# Altium PCB SmartHub Carrier.PcbDoc (part 2 of 5) (continued)
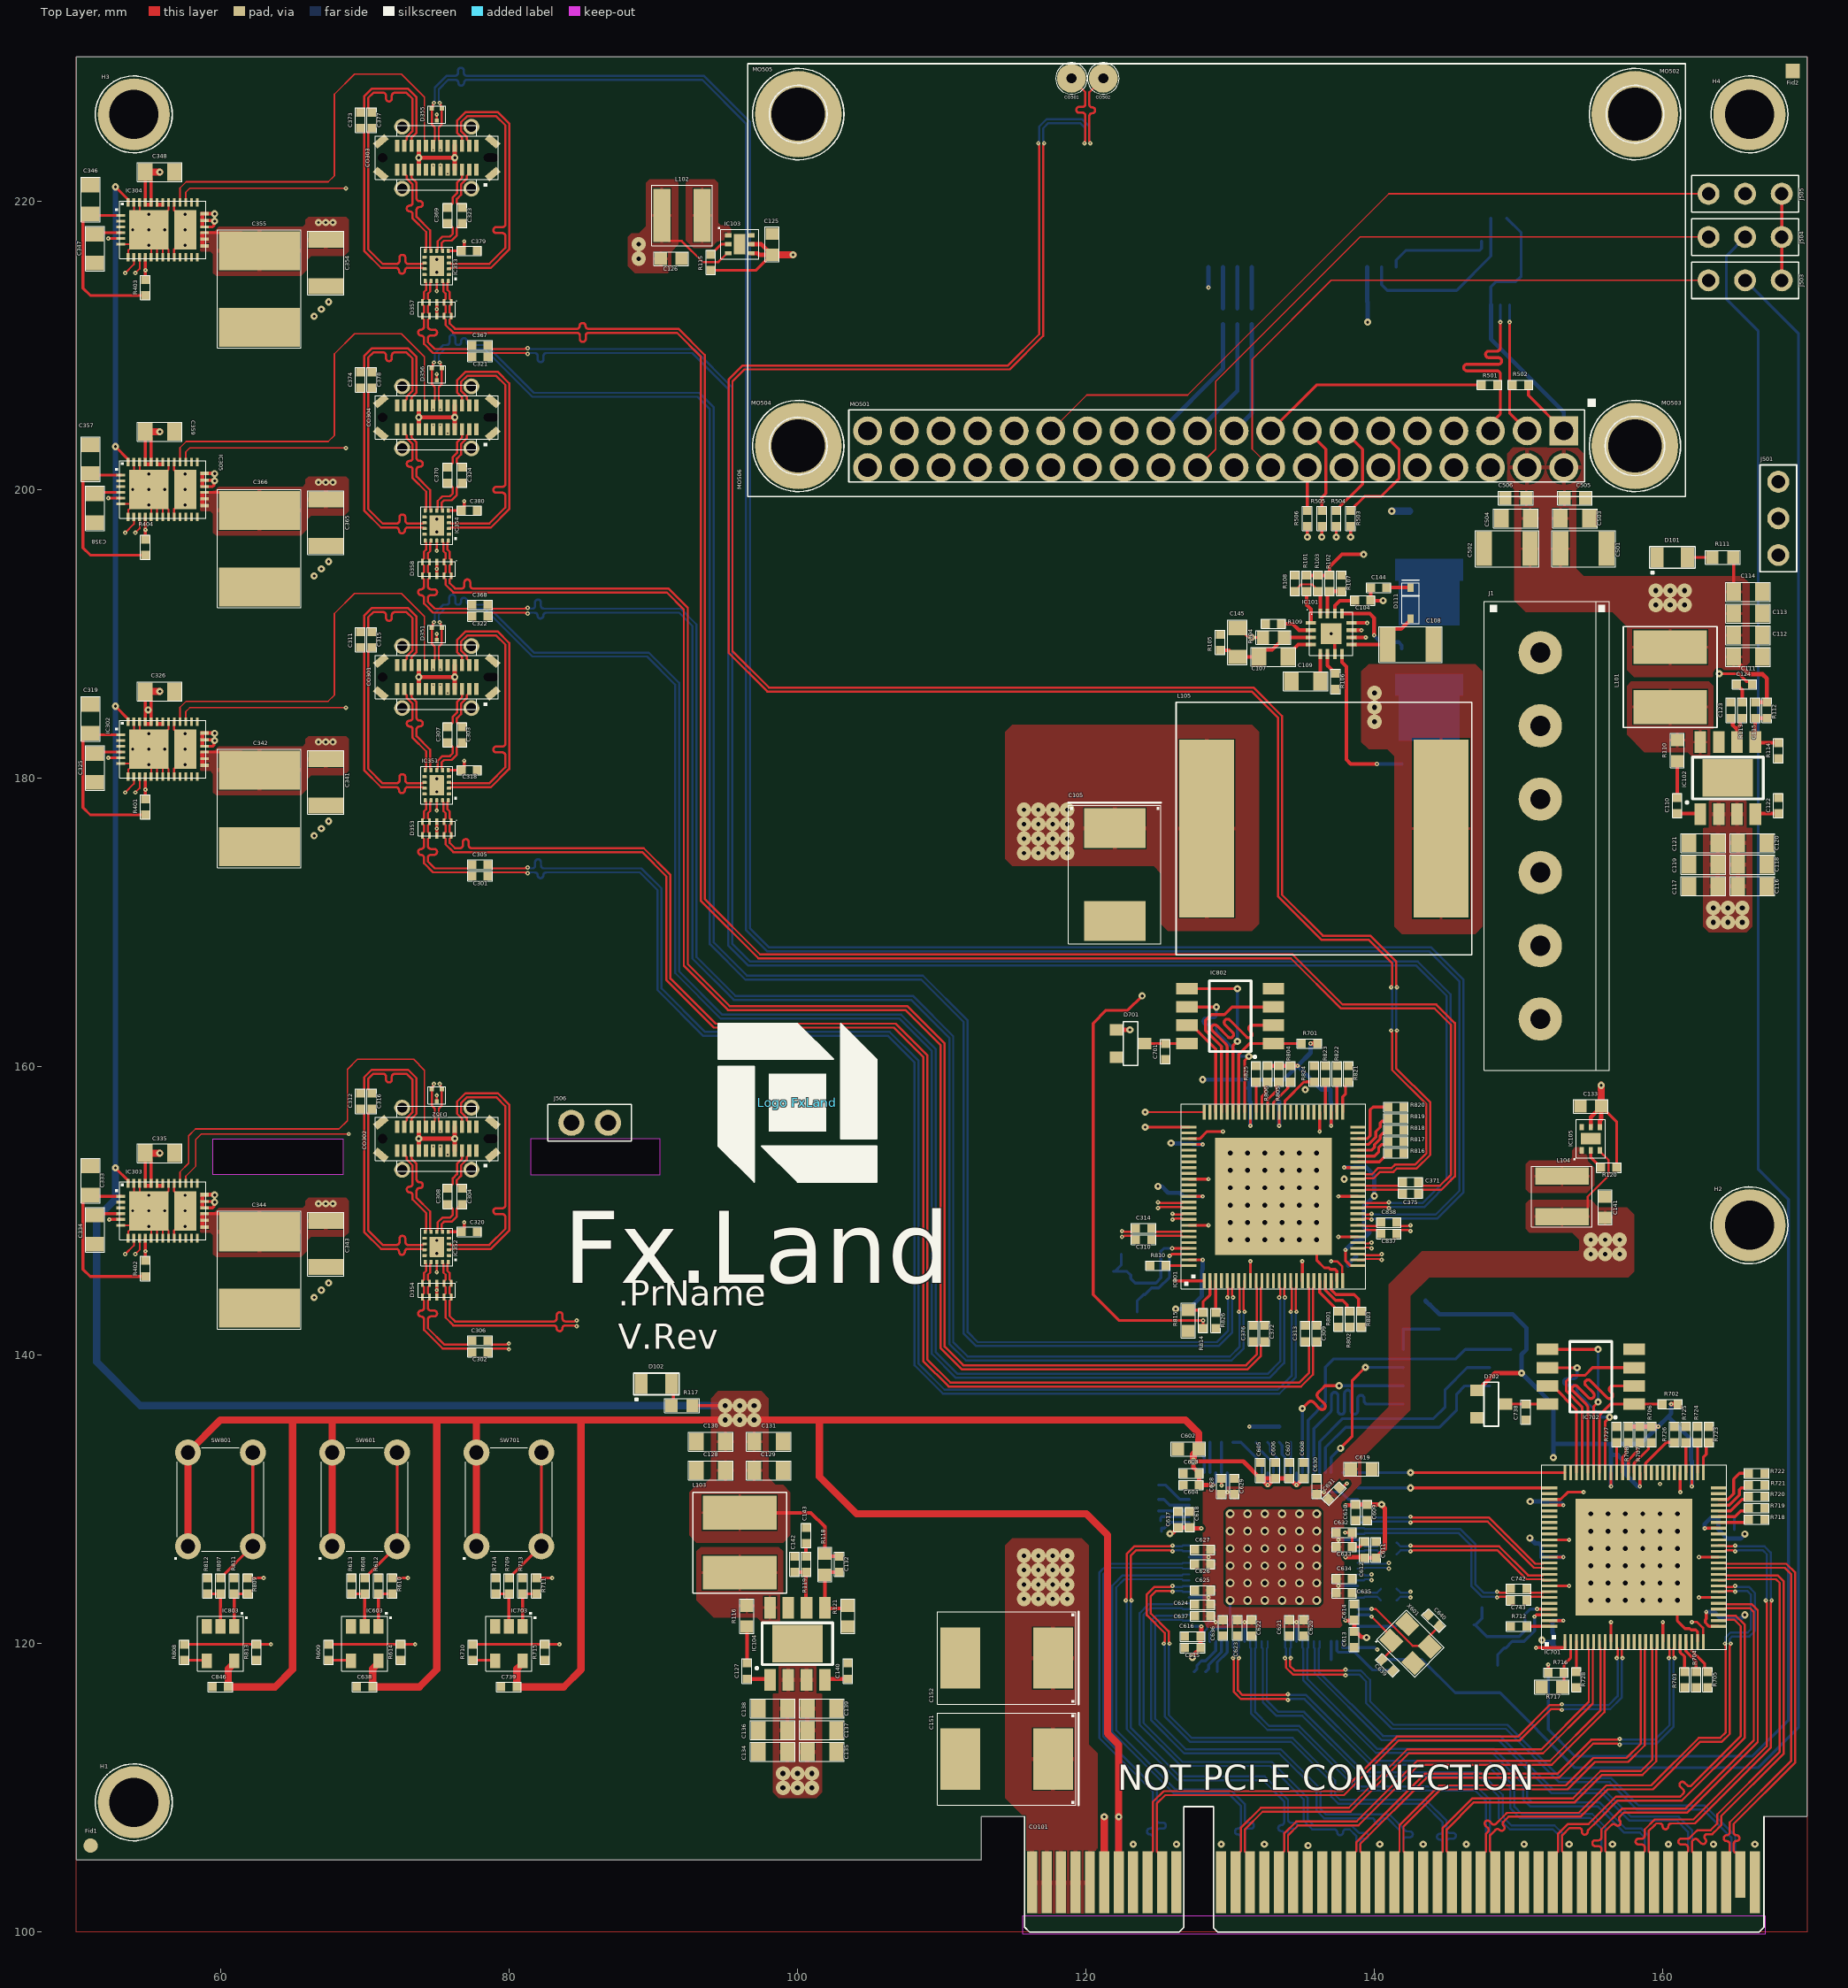
[diagram p0: Top Layer view]
## Nets (pads, with @x,y where several pads share a name; then routed paths per layer and width w, separated by ;. In a path a pad name is that pad's centre, name@x,y a point inside that pad or via, vN(x,y) a via of type N, cw(c..) or ccw(c..) an arc to the next point about the centre after c; other vN are vias at no path point) (continued)
  Top Layer w0.5: SW801.1@57.75,126.75 SW801.2@57.75,133.25 60,135.5 65,135.5 ; IC803.5@60.95,118.8 60.95,118.65 60.55,118.25 C846.1@60.55,117 63.8,117 65,118.2 65,135.5 ; SW601.1@67.75,126.75 SW601.2@67.75,133.25 67.75,135.45 67.8,135.5 ; IC603.5@70.95,118.8 70.95,118.65 70.55,118.25 C638.1@70.55,117 73.8,117 75,118.2 75,135.5 ; SW701.1@77.75,126.75 SW701.2@77.75,133.25 77.75,135.45 77.8,135.5 ; IC703.5@80.95,118.8 80.95,118.65 80.55,118.25 C739.1@80.55,117 83.8,117 85,118.2 85,135.5 ; v6(95,135.5) 85,135.5 ; v6(97,135.5) 101.525,135.5 ; CO101.B7@122.275,103.45 v2(122.275,108) 122.275,113 121.5,113.775 121.5,127.525 120.025,129 104.1,129 101.525,131.575 101.525,135.5 ; v2(127.453,132.635) 127.453,133.103 C602.1@127.837,133.487 ; C602.1@127.825,133.5 127.825,134.575 126.9,135.5 101.525,135.5 ; 65,135.5 67.8,135.5 ; 67.8,135.5 75,135.5 ; 75,135.5 77.8,135.5 ; 77.8,135.5 85,135.5
  Bottom Layer w0.2: IC601.26@127.15,121.2 v1(128,121.2) ; IC601.43@127.15,128 v1(128,128) ; v1(128.8,131) 128.8,131.027 129,131.227 IC601.53@129,131.85 ; v1(132.6,131) IC601.62@132.6,131.85 ; v1(134.6,131) IC601.67@134.6,131.85 ; v1(138,121.6) IC601.99@138.85,121.6 ; v1(138,126) IC601.88@138.85,126 ; v1(138,129.6) IC601.79@138.85,129.6
  Bottom Layer w0.3: v2(125,151.7) 125.25,151.7 C804.1@125.7,151.25 C805.1@126.5,151.25 126.75,151 v1(128.1,151) ; v2(125.9,154.7) 125.925,154.675 126.575,154.675 C806.1@126.6,154.65 C807.1@127.4,154.65 127.45,154.6 v1(128.1,154.6) ; v2(126.225,143.2) 127.15,143.2 128.025,144.075 C801.1@128.025,144.1 128.037,144.112 128.037,145.088 C802.1@128.05,145.1 C803.1@128.05,145.9 128.1,145.95 v1(128.1,146.6) ; v2(128.1,159.1) 131.3,159.1 ; C808.1@131.238,158.512 C808.1@131.35,158.4 ; v1(131.325,135.05) R605.1@131.8,135.05 R606.1@132.6,135.05 R607.1@133.4,135.05 ; v1(131.4,155.9) 131.4,157.55 C809.1@131.35,157.6 C808.1@131.35,158.4 ; v1(133.4,155.9) 133.4,157.55 C811.1@133.35,157.6 133.35,159.1 ; v1(135.575,161.6) 135.575,160.95 v1(134.675,160.05) ; v1(137,155.9) 137,157.55 C813.1@136.95,157.6 C812.1@136.95,158.4 136.325,158.4 v1(134.675,160.05) ; v1(137.9,153) 138.55,153 C815.1@138.6,153.05 C814.1@139.4,153.05 140,152.45 v2(140,151.037) 139.275,150.312 139.275,148.875 C816.1@139.65,148.5 139.174,148.024 138.774,148.024 138.55,147.8 138.5,147.8 v1(137.992,147.292) ; D601.1@143.55,143.8 143.55,143.75 143.8,143.5 143.85,143.5 144.525,142.825 149.6,142.825 150.55,141.875 R601.2@150.55,140.4 150.2,140.05 v2(150.2,138.75) 152.4,136.55 152.4,133.85 ; v2(150.775,127.325) 151.15,126.95 151.4,126.95 151.562,126.788 151.562,126.013 C706.1@151.575,126 ; v2(150.8,129.85) C707.1@151.6,129.85 C708.1@152.4,129.85 152.55,129.7 153,129.7 v1(153.1,129.6) ; v2(151.607,120.25) 151.661,120.25 151.811,120.1 152.2,120.1 C702.1@152.412,119.888 ; C706.1@151.612,126.013 151.625,126 v1(153.1,126) ; v2(152.4,132.9) 152.4,133.85 ; v1(153.1,121.6) C704.1@152.35,121.6 C703.1@152.35,120.75 152.412,120.688 C702.1@152.412,119.888 ; v1(156.4,130.9) C710.1@156.4,132.5 C709.1@156.4,133.075 ; v1(158.4,130.9) 158.25,130.9 C712.1@157.45,131.7 C711.1@157.45,132.5 156.875,133.075 156.55,133.075 C709.1@156.4,133.225 156.4,133.85 ; v1(160.575,136.6) 160.575,135.95 160.362,135.738 ; v1(162,130.9) 162,132.65 C714.1@161.95,132.7 C713.1@161.95,133.5 161.95,134.15 160.362,135.738 ; v1(162.9,128) 162.9,128.3 163.3,128.7 C716.1@163.85,128.7 C715.1@163.85,127.9 164.475,127.275 165.385,127.275 165.675,127.565 v2(165.675,127.6) ; v1(163,122.2) 163.55,122.2 C718.1@164,121.75 C717.1@164.8,121.75 165.407,121.75 165.657,122 v2(165.675,122) ; 131.3,159.1 133.35,159.1 ; 131.3,159.1 131.35,159.05 C808.1@131.35,158.4 ; 133.35,159.1 133.725,159.1 v1(134.675,160.05) ; 152.4,133.85 156.4,133.85 ; C702.1@152.412,119.888 152.475,119.825 C702.1@152.475,119.8 152.412,119.863 C702.1@152.412,119.888 ; 156.4,133.85 158.475,133.85 v1(159.675,135.05) 160.362,135.738
  Bottom Layer w0.35: v2(52.725,152.975) v2(52.725,184.975) v2(52.725,202.975) v2(52.725,220.975)
  Bottom Layer w0.5: v2(52.725,152.975) 52.725,150.8 51.425,149.5 51.425,139.525 54.45,136.5 v6(95,136.5) ; CO101.A7@122.275,103.45 v2(122.275,108)
  other v6: 96,135.5 96,136.5 97,136.5
+3V3R: C507.1 IC501.3 J503.1 J504.1 J505.1 MO501.1 MO501.17 R501.2 R502.2 R507.2 | length 87.4
  Top Layer w0.2: MO501.17@132.81,204.064 135.996,207.25 R501.2@147.425,207.25 ; R502.2@150.675,207.25 150.675,206.519 MO501.1@153.13,204.064 ; J503.1@168.24,214.5 J504.1@168.24,217.5 J505.1@168.24,220.5
  Layer 6 w0.2: MO501.17@132.81,204.064 135.946,207.2 149.994,207.2 MO501.1@153.13,204.064 156.266,207.2 160.94,207.2 J503.1@168.24,214.5
  Bottom Layer w0.2: IC501.3@148.075,212.8 148.075,214.05 148.425,214.4 149.8,214.4 150.175,214.775 150.175,217.8 R507.2@149.175,218.8
  Bottom Layer w0.3: IC501.3@148.075,212.8 C507.1@148.075,211.2 148.075,210.425 153.13,205.37 MO501.1@153.13,204.064
+5VR: C111.1 C112.1 C113.1 C114.1 C115.1 C125.1 C133.1 C326.1 C335.1 C348.1 C359.1 C501.1 C502.1 C503.1 C504.1 C505.1 C506.1 C508.1 CO101.A6 CO101.B6 IC103.4 IC103.5 IC105.4 IC105.5 IC302.34 IC302.35 IC303.34 IC303.35 IC304.34 IC304.35 IC305.34 IC305.35 J502.3 J507.4 L101.2 MO501.2 MO501.4 R111.1 R112.2 R115.1 R120.1 | length 491.4
  Top Layer w0.2: IC303.35@54.8,151.9 C335.1@54.8,154 55.2,153.6 IC303.34@55.2,151.9 ; IC305.35@54.8,201.9 C359.1@54.8,204 55.2,203.6 IC305.34@55.2,201.9 ; IC304.35@54.8,219.9 C348.1@54.8,222 55.2,221.6 IC304.34@55.2,219.9 ; R115.1@94,215.2 97.15,215.2 98.225,216.275 C125.1@98.25,216.275 ; C133.1@155.725,157.25 155.725,157.225 156.8,156.15 R120.1@156.8,153 ; R111.1@164.875,195.3 164.9,195.275 C114.1@164.9,192.9 ; IC302.35@54.8,183.9 C326.1@54.8,186 55.2,185.6 IC302.34@55.2,183.9 55.2,184.525 v2(55,184.725) 54.8,184.525 IC302.35@54.8,183.9
  Top Layer w0.3: IC103.4@96.8,216.375 97.25,216.375 97.35,216.275 98.225,216.275 97.5,217 IC103.5@96.8,217 ; IC105.5@155,155.8 155,156.5 155.725,157.225 155.725,156.35 155.625,156.25 IC105.4@155.625,155.8 ; C111.1@164.9,188.4 164.9,188.275 165.975,187.2 166.9,187.2 167.2,186.9 R112.2@167.2,185.25 C115.1@166.4,185.25
  Top Layer w0.5: C335.1@54.8,154 v2(55.8,154) ; C326.1@54.8,186 v2(55.8,186) ; C359.1@54.8,204 v2(55.8,204) ; C348.1@54.8,222 v2(55.8,222) ; C125.1@98.25,216.275 v2(99.7,216.275) ; CO101.B6@121.275,103.45 v2(121.275,108) ; C133.1@155.725,157.25 v2(155.725,158.7)
  Layer 3 w0.5: v2(99.7,216.275) 156.925,216.275 161.5,211.7 v6(161.5,193) ; v2(121.275,108) 121.275,108.975 123.3,111 168.5,111 169,111.5 169,191 168,192 v6(161.5,192) ; v2(155.725,158.7) 160.5,163.475 v6(160.5,192)
  Layer 6 w0.5: v2(121.275,108) 121.275,108.975 123.3,111 168.5,111 169,111.5 169,191 168,192 v6(161.5,192) ; v2(155.725,158.7) 160.5,163.475 v6(160.5,192)
  Bottom Layer w0.3: v1(128.5,214) J507.4@128.5,215.425 ; J502.3@139.5,215.425 139.5,213.025 C508.1@139.525,213 v2(139.525,211.6)
  Bottom Layer w0.5: CO101.A6@121.275,103.45 v2(121.275,108)
  other v6: 159.5,192 159.5,193 160.5,193
+24V: C102.1 C103.1 IC101.11 J1.1 J1.2 J1.3 R101.2 R102.2 R103.2 R122.1 | length 5.6
  Top Layer w0.25: R101.2@135.3,194.05 R103.2@136.1,194.05 R102.2@136.9,194.05 136.9,194.65 137.75,195.5 v2(139.25,195.5) ; IC101.11@138.4,190.25 v1(139.1,190.25)
+24V_FUSED: IC101.10 R122.2 TR101.5 | length 1
  Top Layer w0.25: IC101.10@138.4,189.75 v1(139.4,189.75)
ACTIVE_USB_F: J505.2 R814.2 | length 125.4
  Top Layer w0.2: v2(123.9,164.9) 122.9,163.9 121.4,163.9 120.5,163 120.5,144.2 122.3,142.4 v1(128.125,142.4) R814.2@128.125,141.85
  Layer 6 w0.2: v2(123.9,164.9) 123.9,213.9 129,219 164.2,219 J505.2@165.7,220.5
ACTIVE_USB_F_0: J505.3 MO501.29 | length 52.4
  Top Layer w0.1: MO501.29@117.57,204.064 120.056,206.55 127.05,206.55 141,220.5 J505.3@163.16,220.5
ACTIVE_USB_G1: J503.2 R615.2 | length 135.2
  Bottom Layer w0.2: R615.2@140.25,118.9 143.3,118.9 145.6,116.6 148.7,116.6 153.9,111.4 166.6,111.4 169.4,114.2 169.4,210.8 J503.2@165.7,214.5
ACTIVE_USB_G1_0: J503.3 MO501.18 | length 41.9
  Top Layer w0.1: MO501.18@132.81,201.524 131.525,202.809 131.525,209.025 137,214.5 J503.3@163.16,214.5
ACTIVE_USB_G2: J504.2 R716.2 | length 128.6
  Top Layer w0.2: R716.2@152.05,118 v1(152.05,118.55)
  Bottom Layer w0.2: v1(152.05,118.55) 152.05,114.05 153.9,112.2 166.2,112.2 168.7,114.7 168.7,150.8 166.6,152.9 166.6,211 166.541,211.059 164.4,213.2 164.4,216.2 J504.2@165.7,217.5
ACTIVE_USB_G2_0: J504.3 MO501.22 | length 44.8
  Top Layer w0.1: MO501.22@127.73,201.524 129,202.794 129,207.5 139,217.5 J504.3@163.16,217.5
CFG_STRAP1_F: IC801.21 R801.1 | length 2.6
  Top Layer w0.2: IC801.21@136.2,145.15 136.2,144.35 R801.1@137.5,143.05
CFG_STRAP1_G1: IC601.21 R602.1 | length 2.4
  Bottom Layer w0.2: R602.1@129.1,118.05 129.1,118.7 129.8,119.4 IC601.21@129.8,120.15
CFG_STRAP1_G2: IC701.21 R703.1 | length 2.2
  Top Layer w0.2: IC701.21@161.2,120.15 161.2,119.4 161.5,119.1 R703.1@161.5,118.05
CFG_STRAP2_F: IC801.22 R802.2 | length 3.1
  Top Layer w0.2: IC801.22@136.6,145.15 136.6,144.5 137.3,143.8 137.8,143.8 138.1,143.5 138.1,143.25 R802.2@138.3,143.05
CFG_STRAP2_G1: IC601.22 R603.2 | length 2.6
  Bottom Layer w0.2: R603.2@128.3,118.05 128.5,118.25 128.5,118.524 129.4,119.424 IC601.22@129.4,120.15
CFG_STRAP2_G2: IC701.22 R704.2 | length 2.4
  Top Layer w0.2: IC701.22@161.6,120.15 161.6,119.476 162.3,118.776 R704.2@162.3,118.05
CFG_STRAP3_F: IC801.23 R803.2 | length 3.7
  Top Layer w0.2: IC801.23@137,145.15 137,144.524 137.324,144.2 138.6,144.2 138.9,143.9 138.9,143.367 138.9,143.25 R803.2@139.1,143.05
CFG_STRAP3_G1: IC601.23 R604.2 | length 2.9
  Bottom Layer w0.2: R604.2@127.5,118.05 127.7,118.25 127.7,118.5 128,118.8 128.3,118.8 129,119.5 IC601.23@129,120.15
CFG_STRAP3_G2: IC701.23 R705.2 | length 2.6
  Top Layer w0.2: IC701.23@162,120.15 162,119.5 162.9,118.6 162.9,118.25 R705.2@163.1,118.05
DCDC_FREQ: IC101.6 R106.2 | length 1.6
  Top Layer w0.25: IC101.6@136.75,188.6 136.75,187.8 R106.2@137.3,187.25
DCDC_ILIMB: IC101.2 R109.2 | length 2.2
  Top Layer w0.25: R109.2@133.55,190.7 134.325,190.7 134.775,190.25 IC101.2@135.6,190.25
DCDC_ILIMT: IC101.1 R101.1 | length 2.3
  Top Layer w0.25: R101.1@135.3,192.95 135.3,192 135.6,191.7 IC101.1@135.6,190.75
DCDC_INTVCC: C108.1 D111.1 IC101.9 | length 5.3
  Top Layer w0.25: IC101.9@138.4,189.25 C108.1@140.9,189.25 140.9,189.9 141.325,190.325 141.845,190.325 142.5,190.98 D111.1@142.5,191.05
DCDC_MODESYNC: IC101.15 R102.1 R107.2 | length 2.4
  Top Layer w0.25: IC101.15@136.75,191.4 136.75,192.8 R102.1@136.9,192.95 R107.2@137.7,192.95
DCDC_RUN: IC101.16 R103.1 R108.2 | length 3.7
  Top Layer w0.15: R108.2@134.5,192.95 134.725,193.175 134.725,193.222 134.928,193.425 135.672,193.425 135.875,193.222 135.875,193.175 R103.1@136.1,192.95
  Top Layer w0.25: R103.1@136,192.95 136.075,192.95 136.25,192.775 IC101.16@136.25,191.4
DCDC_SS: C109.1 IC101.5 | length 1.9
  Top Layer w0.25: C109.1@136.25,186.7 IC101.5@136.25,188.6
GND: C102.2 C103.2 C105.2 C108.2 C109.2 C111.2 C112.2 C113.2 C114.2 C116.2 C117.2 C118.2 C119.2 C120.2 C121.2 C122.2 C123.2 C124.2 C125.2 C126.2 C128.2 C129.2 C130.2 C131.2 C133.2 C134.2 C135.2 C136.2 C137.2 C138.2 C139.2 C140.2 C141.2 C142.2 C143.2 C151.2 C152.2 C153.2 C154.2 C317.2 C318.2 C319.2 C320.2 C325.2 C326.2 C327.2 C328.2 C329.2 C330.2 C331.2 C332.2 C333.2 C334.2 C335.2 C336.2 C337.2 C338.2 C339.2 C340.2 C341.2 C342.2 C343.2 C344.2 C345.2 C346.2 C347.2 C348.2 C349.2 C350.2 C351.2 C352.2 C353.2 C354.2 C355.2 C356.2 C357.2 C358.2 C359.2 C360.2 C361.2 C362.2 C363.2 C364.2 C365.2 C366.2 C379.2 C380.2 C501.2 C502.2 C503.2 C504.2 C505.2 C506.2 C507.2 C508.2 C601.2 C602.2 C603.2 C604.2 C605.2 C606.2 C607.2 C608.2 C609.2 C610.2 C611.2 C612.2 C613.2 C614.2 C615.2 C616.2 C617.2 C618.2 C619.2 C620.2 C621.2 C622.2 C623.2 C624.2 C625.2 C626.2 C627.2 C628.2 C629.2 C630.2 C631.2 C632.2 C633.2 C634.2 C635.2 C636.2 C637.2 C638.2 C639.1 C640.2 C701.2 C702.2 C703.2 C704.2 C705.2 C706.2 C707.2 C708.2 C709.2 C710.2 C711.2 C712.2 C713.2 C714.2 C715.2 C716.2 C717.2 C718.2 C719.2 C720.2 C721.2 C722.2 C723.2 C724.2 C725.2 C726.2 C727.2 C728.2 C729.2 C730.2 C731.2 C732.2 C733.2 C734.2 C735.2 C736.2 C737.2 C738.2 C739.2 C740.1 C741.2 C801.2 C802.2 C803.2 C804.2 C805.2 C806.2 C807.2 C808.2 C809.2 C810.2 C811.2 C812.2 C813.2 C814.2 C815.2 C816.2 C817.2 C818.2 C819.2 C820.2 C821.2 C822.2 C823.2 C824.2 C825.2 C826.2 C827.2 C828.2 C829.2 C830.2 C831.2 C832.2 C833.2 C834.2 C835.2 C836.2 C846.2 C848.1 C849.2 CO101.A8 CO101.A11 CO101.A12 CO101.A15 CO101.A18 CO101.A19 CO101.A20 CO101.A23 CO101.A26 CO101.A29 CO101.A32 CO101.A33 CO101.A34 CO101.A37 CO101.A40 CO101.A43 CO101.A46 CO101.A49 CO101.B8 CO101.B11 CO101.B12 CO101.B15 CO101.B18 CO101.B19 CO101.B20 CO101.B23 CO101.B26 CO101.B29 CO101.B32 CO101.B33 CO101.B34 CO101.B37 CO101.B40 CO101.B43 CO101.B46 CO101.B49 CO301.1 CO301.12 CO301.21 CO301.32 CO301.SH CO302.1 CO302.12 CO302.21 CO302.32 CO302.SH CO303.1 CO303.12 CO303.21 CO303.32 CO303.SH CO304.1 CO304.12 CO304.21 CO304.32 CO304.SH D101.K D102.K D351.3 D352.3 D353.3 D353.8 D354.3 D354.8 D355.3 D356.3 D357.3 D357.8 D358.3 D358.8 H1.1 H2.1 H3.1 H4.1 IC101.7 IC101.17 IC102.7 IC102.9 IC103.6 IC103.7 IC104.7 IC104.9 IC105.6 IC105.7 IC302.6 IC302.7 IC302.11 IC302.12 IC302.13 IC302.14 IC302.19 IC302.26 IC302.27 IC302.31 IC302.36 IC302.37 IC302.39 IC303.6 IC303.7 IC303.11 IC303.12 IC303.13 IC303.14 IC303.19 IC303.26 IC303.27 IC303.31 IC303.36 IC303.37 IC303.39 IC304.6 IC304.7 IC304.11 IC304.12 IC304.13 IC304.14 IC304.19 IC304.26 IC304.27 IC304.31 IC304.36 IC304.37 IC304.39 IC305.6 IC305.7 IC305.11 IC305.12 IC305.13 IC305.14 IC305.19 IC305.26 IC305.27 IC305.31 IC305.36 IC305.37 IC305.39 IC351.19 IC352.19 IC353.19 IC354.19 IC501.4 IC601.24 IC601.101 IC602.4 IC603.3 IC701.24 IC701.101 IC702.4 IC703.3 IC801.24 IC801.101 IC802.4 IC803.3 J1.4 J1.5 J1.6 J501.3 J502.4 J502.5 J506.1 J507.5 MO501.6 MO501.9 MO501.14 MO501.20 MO501.25 MO501.30 MO501.34 MO501.39 MO502.GND MO503.GND MO504.GND MO505.GND R105.1 R106.1 R107.1 R108.1 R109.1 R114.1 R121.1 R602.2 R603.1 R604.1 R611.1 R612.1 R613.1 R614.1 R616.1 R617.1 R618.1 R619.1 R620.1 R621.1 R622.1 R623.1 R624.1 R625.1 R626.1 R627.1 R703.2 R704.1 R705.1 R712.1 R713.1 R714.1 R715.1 R717.1 R718.1 R719.1 R720.1 R721.1 R722.1 R723.1 R724.1 R725.1 R726.1 R727.1 R728.1 R801.2 R802.1 R803.1 R810.1 R811.1 R812.1 R813.1 R815.1 R816.1 R817.1 R818.1 R819.1 R820.1 R821.1 R822.1 R823.1 R824.1 R825.1 R826.1 TR102.1 TR102.2 TR102.3 X601.2 X601.4 X701.2 X701.4 X801.2 X801.4 | length 89.5
  Top Layer w0.127: IC303.6@53.1,149 IC303.39@53.925,149 ; IC302.6@53.1,181 IC302.39@53.925,181 ; IC305.6@53.1,199 IC305.39@53.925,199 ; IC304.6@53.1,217 IC304.39@53.925,217 ; IC303.7@53.6,148.1 53.626,148.126 53.626,148.591 53.925,148.89 IC303.39@53.925,149 ; IC302.7@53.6,180.1 53.626,180.126 53.626,180.59 53.925,180.89 IC302.39@53.925,181 ; IC305.7@53.6,198.1 53.626,198.126 53.626,198.59 53.925,198.89 IC305.39@53.925,199 ; IC304.7@53.6,216.1 53.626,216.126 53.626,216.591 53.925,216.89 IC304.39@53.925,217 ; IC303.37@54,151.9 54,150.075 v5(53.925,150) IC303.39@53.925,149 ; IC302.37@54,183.9 54,182.075 v5(53.925,182) IC302.39@53.925,181 ; IC305.37@54,201.9 54,200.075 v5(53.925,200) IC305.39@53.925,199 ; IC304.37@54,219.9 54,218.075 v5(53.925,218) IC304.39@53.925,217 ; IC303.36@54.4,151.9 54.4,151.296 54.622,151.075 v5(55.035,151.075) ; IC302.36@54.4,183.9 54.4,183.296 54.622,183.075 v5(55.035,183.075) ; IC305.36@54.4,201.9 54.4,201.296 54.622,201.075 v5(55.035,201.075) ; IC304.36@54.4,219.9 54.4,219.297 54.622,219.075 v5(55.035,219.075) ; IC303.11@55.2,148.1 55.2,148.76 v5(55.035,148.925) ; IC302.11@55.2,180.1 55.2,180.76 v5(55.035,180.925) ; IC305.11@55.2,198.1 55.2,198.76 v5(55.035,198.925) ; IC304.11@55.2,216.1 55.2,216.76 v5(55.035,216.925) ; IC303.12@55.6,148.1 55.6,148.703 55.378,148.925 v5(55.035,148.925) ; IC302.12@55.6,180.1 55.6,180.703 55.378,180.925 v5(55.035,180.925) ; IC305.12@55.6,198.1 55.6,198.703 55.378,198.925 v5(55.035,198.925) ; IC304.12@55.6,216.1 55.6,216.704 55.378,216.925 v5(55.035,216.925) ; IC303.13@56,148.1 56,149.855 v5(56.145,150) ; IC302.13@56,180.1 56,181.855 v5(56.145,182) ; IC305.13@56,198.1 56,199.855 v5(56.145,200) ; IC304.13@56,216.1 56,217.855 v5(56.145,218) ; IC303.14@56.4,148.1 56.4,148.635 56.145,148.89 v5(56.145,150) ; IC303.31@56.4,151.9 56.4,151.365 56.145,151.11 v5(56.145,150) ; IC302.14@56.4,180.1 56.4,180.635 56.145,180.89 v5(56.145,182) ; IC302.31@56.4,183.9 56.4,183.365 56.145,183.11 v5(56.145,182) ; IC305.14@56.4,198.1 56.4,198.635 56.145,198.89 v5(56.145,200) ; IC305.31@56.4,201.9 56.4,201.365 56.145,201.11 v5(56.145,200) ; IC304.14@56.4,216.1 56.4,216.635 56.145,216.89 v5(56.145,218) ; IC304.31@56.4,219.9 56.4,219.365 56.145,219.11 v5(56.145,218) ; D352.3@75,157.575 v1(75,158) ; D351.3@75,189.575 v1(75,190) ; D356.3@75,207.575 v1(75,208) ; D355.3@75,225.575 v1(75,226) ; IC303.39@53.925,149 54.96,149 v5(55.035,148.925) ; IC302.39@53.925,181 54.96,181 v5(55.035,180.925) ; IC305.39@53.925,199 54.96,199 v5(55.035,198.925) ; IC304.39@53.925,217 54.96,217 v5(55.035,216.925)
  Top Layer w0.2: D354.8@75,144.025 D354.3@75,144.975 ; D353.8@75,176.025 D353.3@75,176.975 ; D358.8@75,194.025 D358.3@75,194.975 ; D357.8@75,212.025 D357.3@75,212.975 ; v1(129.4,130.975) C628.2@129.4,131.45 ; v3(136,148) 136,146.575 136.525,146.05 136.85,146.05 136.95,145.95 137.283,145.95 137.4,145.833 IC801.24@137.4,145.15 ; v2(137,190) 137.25,189.75 IC101.7@137.25,188.6 ; C631.2@137.589,130.789 137.762,130.789 138.073,131.1 v1(138.1,131.1) ; v1(137.975,127.7) C632.2@138.45,127.7 C633.2@138.45,126.7 138.95,126.7 C612.2@139.3,127.05 ; v3(161,123) 161,121.575 161.525,121.05 161.85,121.05 161.95,120.95 162.283,120.95 162.4,120.833 IC701.24@162.4,120.15 ; v2(163.9,187.225) 165.258,187.225 165.783,186.7 166,186.7 C124.2@166.2,186.5
  Bottom Layer w0.2: IC601.24@128.6,120.15 128.6,120.744 128.844,120.987 ; 128.875,120.9 128.963,120.987 ; v3(130,123) 130,121.425 129.675,121.1 129.075,121.1 ; C715.2@164.95,127.9 C716.2@164.95,128.7 ; 128.844,120.987 128.956,121.1 129.075,121.1 ; 128.844,120.987 128.963,120.987 ; 128.963,120.987 129.075,121.1
  Bottom Layer w0.3: C824.2@138.189,146.211 138.189,146.327 138.537,146.675 138.575,146.675 C817.2@138.725,146.825
  Bottom Layer w0.5: v2(141.2,198.5) C102.2@142.45,198.5
  other v1: 159.8,131.075 75,144.5 75,176.5 75,194.5 75,212.5
  other v2: 135.4,106 123.275,106.1 126.275,106.1 129.375,106.1 132.375,106.1 140.375,106.1 143.375,106.1 146.375,106.1 150.375,106.1 153.5,106.1 156.5,106.1 160.375,106.1 163.5,106.1 166.375,106.1 137.9,152.2 135.2,158.4
  other v3: 131.2,123 132.4,123 133.6,123 134.8,123 136,123 155,123 156.2,123 157.4,123 158.6,123 159.8,123 130,124.2 131.2,124.2 132.4,124.2 133.6,124.2 134.8,124.2 136,124.2 155,124.2 156.2,124.2 157.4,124.2 158.6,124.2 159.8,124.2 161,124.2 130,125.4 131.2,125.4 132.4,125.4 133.6,125.4 134.8,125.4 136,125.4 155,125.4 156.2,125.4 157.4,125.4 158.6,125.4 159.8,125.4 161,125.4 130,126.6 131.2,126.6 132.4,126.6 133.6,126.6 134.8,126.6 136,126.6 155,126.6 156.2,126.6 157.4,126.6 158.6,126.6 159.8,126.6 161,126.6 130,127.8 131.2,127.8 132.4,127.8 133.6,127.8 134.8,127.8 136,127.8 155,127.8 156.2,127.8 157.4,127.8 158.6,127.8 159.8,127.8 161,127.8 130,129 131.2,129 132.4,129 133.6,129 134.8,129 136,129 155,129 156.2,129 157.4,129 158.6,129 159.8,129 161,129 130,148 131.2,148 132.4,148 133.6,148 134.8,148 130,149.2 131.2,149.2 132.4,149.2 133.6,149.2 134.8,149.2 136,149.2 130,150.4 131.2,150.4 132.4,150.4 133.6,150.4 134.8,150.4 136,150.4 130,151.6 131.2,151.6 132.4,151.6 133.6,151.6 134.8,151.6 136,151.6 130,152.8 131.2,152.8 132.4,152.8 133.6,152.8 134.8,152.8 136,152.8 130,154 131.2,154 132.4,154 133.6,154 134.8,154 136,154
  other v5: 75,147.05 75,147.95 55.035,150 75,179.05 75,179.95 55.035,182 75,197.05 75,197.95 55.035,200 75,215.05 75,215.95 55.035,218
I2C_0_SCL: IC302.9 IC303.9 IC304.9 IC305.9 IC501.2 IC601.75 IC701.75 IC801.75 MO501.5 R501.1 | length 317.5
  Top Layer w0.127: v1(54.1,147) 54.4,147.3 IC303.9@54.4,148.1 ; v1(54.1,179) 54.4,179.3 IC302.9@54.4,180.1 ; v1(54.1,197) 54.4,197.3 IC305.9@54.4,198.1 ; v1(54.1,215) 54.4,215.3 IC304.9@54.4,216.1 ; v2(124.1,156.85) IC801.75@128.2,156.85
  Top Layer w0.2: v2(142.5,131.85) IC701.75@153.2,131.85 ; MO501.5@148.05,204.064 148.05,204.551 148.725,205.226 148.725,207.9 148.725,208 ccw(c148.498,208) 148.498,208.227 146.412,208.227 cw(c146.412,208.454) 146.412,208.681 148.592,208.681 ccw(c148.592,208.908) 148.592,209.135 147.932,209.135 cw(c147.932,209.362) 147.932,209.589 148.498,209.589 ccw(c148.498,209.816) 148.725,209.816 148.725,211.2 v1(148.725,211.6)
  Layer 3 w0.127: v1(54.1,147) 54.1,147.047 54.314,147.26 54.314,164.289 54.1,164.503 v1(54.1,179) 54.1,179.047 54.314,179.26 54.314,188 54.1,188.213 54.1,197.047 54.314,197.26 54.314,206 54.1,206.213 v1(54.1,215) 54.1,216.7 54.8,217.4 60.4,217.4 62.5,219.5 91.993,219.5 98.693,212.8 147.525,212.8 v1(148.725,211.6) ; v2(142.5,131.85) 133.425,140.925 129.7,140.925 129.275,141.35 129.275,143.125 127.55,144.85 127.55,151.975 125.075,154.45 125.075,155.875 v2(124.1,156.85) 122.025,156.85 121.525,157.35 121.525,190.3 124.225,193 144.6,193 149.275,197.675 149.275,202.839 MO501.5@148.05,204.064
  Bottom Layer w0.2: IC601.75@137.8,131.85 v2(142.5,131.85) ; v1(148.725,211.6) IC501.2@148.725,212.8
I2C_0_SDA: IC302.8 IC303.8 IC304.8 IC305.8 IC501.1 IC601.76 IC701.76 IC801.76 MO501.3 R502.1 | length 317.5
  Top Layer w0.127: v1(53.4,147) 54,147.6 IC303.8@54,148.1 ; v1(53.4,179) 54,179.6 IC302.8@54,180.1 ; v1(53.4,197) 54,197.6 IC305.8@54,198.1 ; v1(53.4,215) 54,215.6 IC304.8@54,216.1
  Top Layer w0.2: v2(124.1,155.8) IC801.76@127.15,155.8 ; v2(142.5,130.8) IC701.76@152.15,130.8 ; v1(149.375,211.6) 149.375,205.279 MO501.3@150.59,204.064
  Layer 3 w0.127: v1(53.4,147) v1(53.4,179) v1(53.4,197) v1(53.4,215) 53.4,218.9 54.5,220 92.2,220 98.9,213.3 147.675,213.3 v1(149.375,211.6) ; v2(142.5,130.8) 133.1,140.2 129.625,140.2 128.7,141.125 128.7,142.775 126.9,144.575 126.9,151.5 124.1,154.3 v2(124.1,155.8) 121.825,155.8 120.675,156.95 120.675,190.95 123.375,193.65 143.925,193.65 146.775,196.5 146.775,205.35 147.4,205.975 148.679,205.975 MO501.3@150.59,204.064
  Bottom Layer w0.2: IC601.76@138.85,130.8 v2(142.5,130.8) ; v1(149.375,211.6) IC501.1@149.375,212.8
I2C_IRQ_F0: IC302.10 R401.2 R504.2 | length 97.7
  Top Layer w0.2: R401.2@54.8,178.55 v1(54.8,179.2) IC302.10@54.8,180.1 ; v2(137.35,196.7) R504.2@137.35,197.45
  Layer 3 w0.2: v1(54.8,179.2) 56.1,180.5 91,180.5 92.3,181.8 92.3,191.3 96.7,195.7 136.35,195.7 v2(137.35,196.7)
I2C_IRQ_F1: IC303.10 R402.2 R503.2 | length 130.9
  Top Layer w0.2: R402.2@54.8,146.55 v1(54.8,147.2) IC303.10@54.8,148.1 ; v2(138.35,196.7) R503.2@138.35,197.45
  Layer 3 w0.2: v1(54.8,147.2) 55.6,148 55.6,152.325 55.025,152.9 55.025,154.875 55.6,155.45 55.6,178.8 56.3,179.5 91.5,179.5 92.9,180.9 92.9,191.2 96.9,195.2 136.85,195.2 v2(138.35,196.7)
I2C_IRQ_F2: IC304.10 R403.2 R506.2 | length 96.1
  Top Layer w0.2: R403.2@54.8,214.55 v1(54.8,215.2) IC304.10@54.8,216.1 ; v2(135.35,196.7) R506.2@135.35,197.45
  Layer 3 w0.2: v1(54.8,215.2) 55.8,214.2 93,214.2 96.6,210.6 96.6,201.1 101,196.7 v2(135.35,196.7)
I2C_IRQ_F3: IC305.10 R404.2 R505.2 | length 84.5
  Top Layer w0.2: R404.2@54.8,196.55 v1(54.8,197.2) IC305.10@54.8,198.1 ; v2(136.35,196.7) R505.2@136.35,197.45
  Layer 3 w0.2: v1(54.8,197.2) 55.8,196.2 135.85,196.2 v2(136.35,196.7)
I2S_LRCK_F: IC801.47 R819.2 | length 3.2
  Top Layer w0.2: IC801.47@138.85,154.6 139.583,154.6 139.7,154.717 139.7,154.724 140.094,155.118 140.094,155.494 140.4,155.8 140.4,156.091 140.517,156.209 140.759,156.209 R819.2@140.95,156.4
I2S_LRCK_G1: IC601.47 R620.2 | length 2.3
  Bottom Layer w0.2: R620.2@125.05,130 125.4,130 125.8,129.6 IC601.47@127.15,129.6
I2S_LRCK_G2: IC701.47 R721.2 | length 2.9
  Top Layer w0.2: IC701.47@163.85,129.6 164.6,129.6 165.3,130.3 165.3,130.683 165.417,130.8 165.75,130.8 R721.2@165.95,131
I2S_MCLK_F: IC801.48 R820.2 | length 4.1
  Top Layer w0.2: IC801.48@138.85,155 139.5,155 139.7,155.2 139.7,157 139.9,157.2 R820.2@140.95,157.2
I2S_MCLK_G1: IC601.48 R621.2 | length 2.5
  Bottom Layer w0.2: R621.2@125.05,131 125.058,130.992 125.533,130.992 126.525,130 IC601.48@127.15,130
I2S_MCLK_G2: IC701.48 R722.2 | length 3.4
  Top Layer w0.2: IC701.48@163.85,130 164.5,130 164.9,130.4 164.9,131.4 165.3,131.8 R722.2@165.95,131.8
I2S_SCK_F: IC801.46 R818.2 | length 2.9
  Top Layer w0.2: IC801.46@138.85,154.2 139.8,154.2 140,154.4 140,154.6 140.4,155 140.4,155.2 140.6,155.4 140.75,155.4 R818.2@140.95,155.6
I2S_SCK_G1: IC601.46 R619.2 | length 2.1
  Bottom Layer w0.2: R619.2@125.05,129.2 IC601.46@127.15,129.2
I2S_SCK_G2: IC701.46 R720.2 | length 2.5
  Top Layer w0.2: IC701.46@163.85,129.2 164.7,129.2 165.5,130 165.75,130 R720.2@165.95,130.2
I2S_SD0_F: IC801.45 R817.2 | length 2.7
  Top Layer w0.2: IC801.45@138.85,153.8 140,153.8 140.3,154.1 140.3,154.4 140.5,154.6 140.75,154.6 R817.2@140.95,154.8
I2S_SD0_G1: IC601.45 R618.2 | length 2.2
  Bottom Layer w0.2: R618.2@125.183,128.533 125.183,128.733 125.25,128.8 IC601.45@127.15,128.8
I2S_SD0_G2: IC701.45 R719.2 | length 2.3
  Top Layer w0.2: IC701.45@163.85,128.8 165,128.8 165.4,129.2 165.75,129.2 R719.2@165.95,129.4
I2S_SDI_F: IC801.44 R816.2 | length 2.3
  Top Layer w0.2: IC801.44@138.85,153.4 140.35,153.4 R816.2@140.95,154